# Allegro board meta_module_lay_rev1.brd (continued)
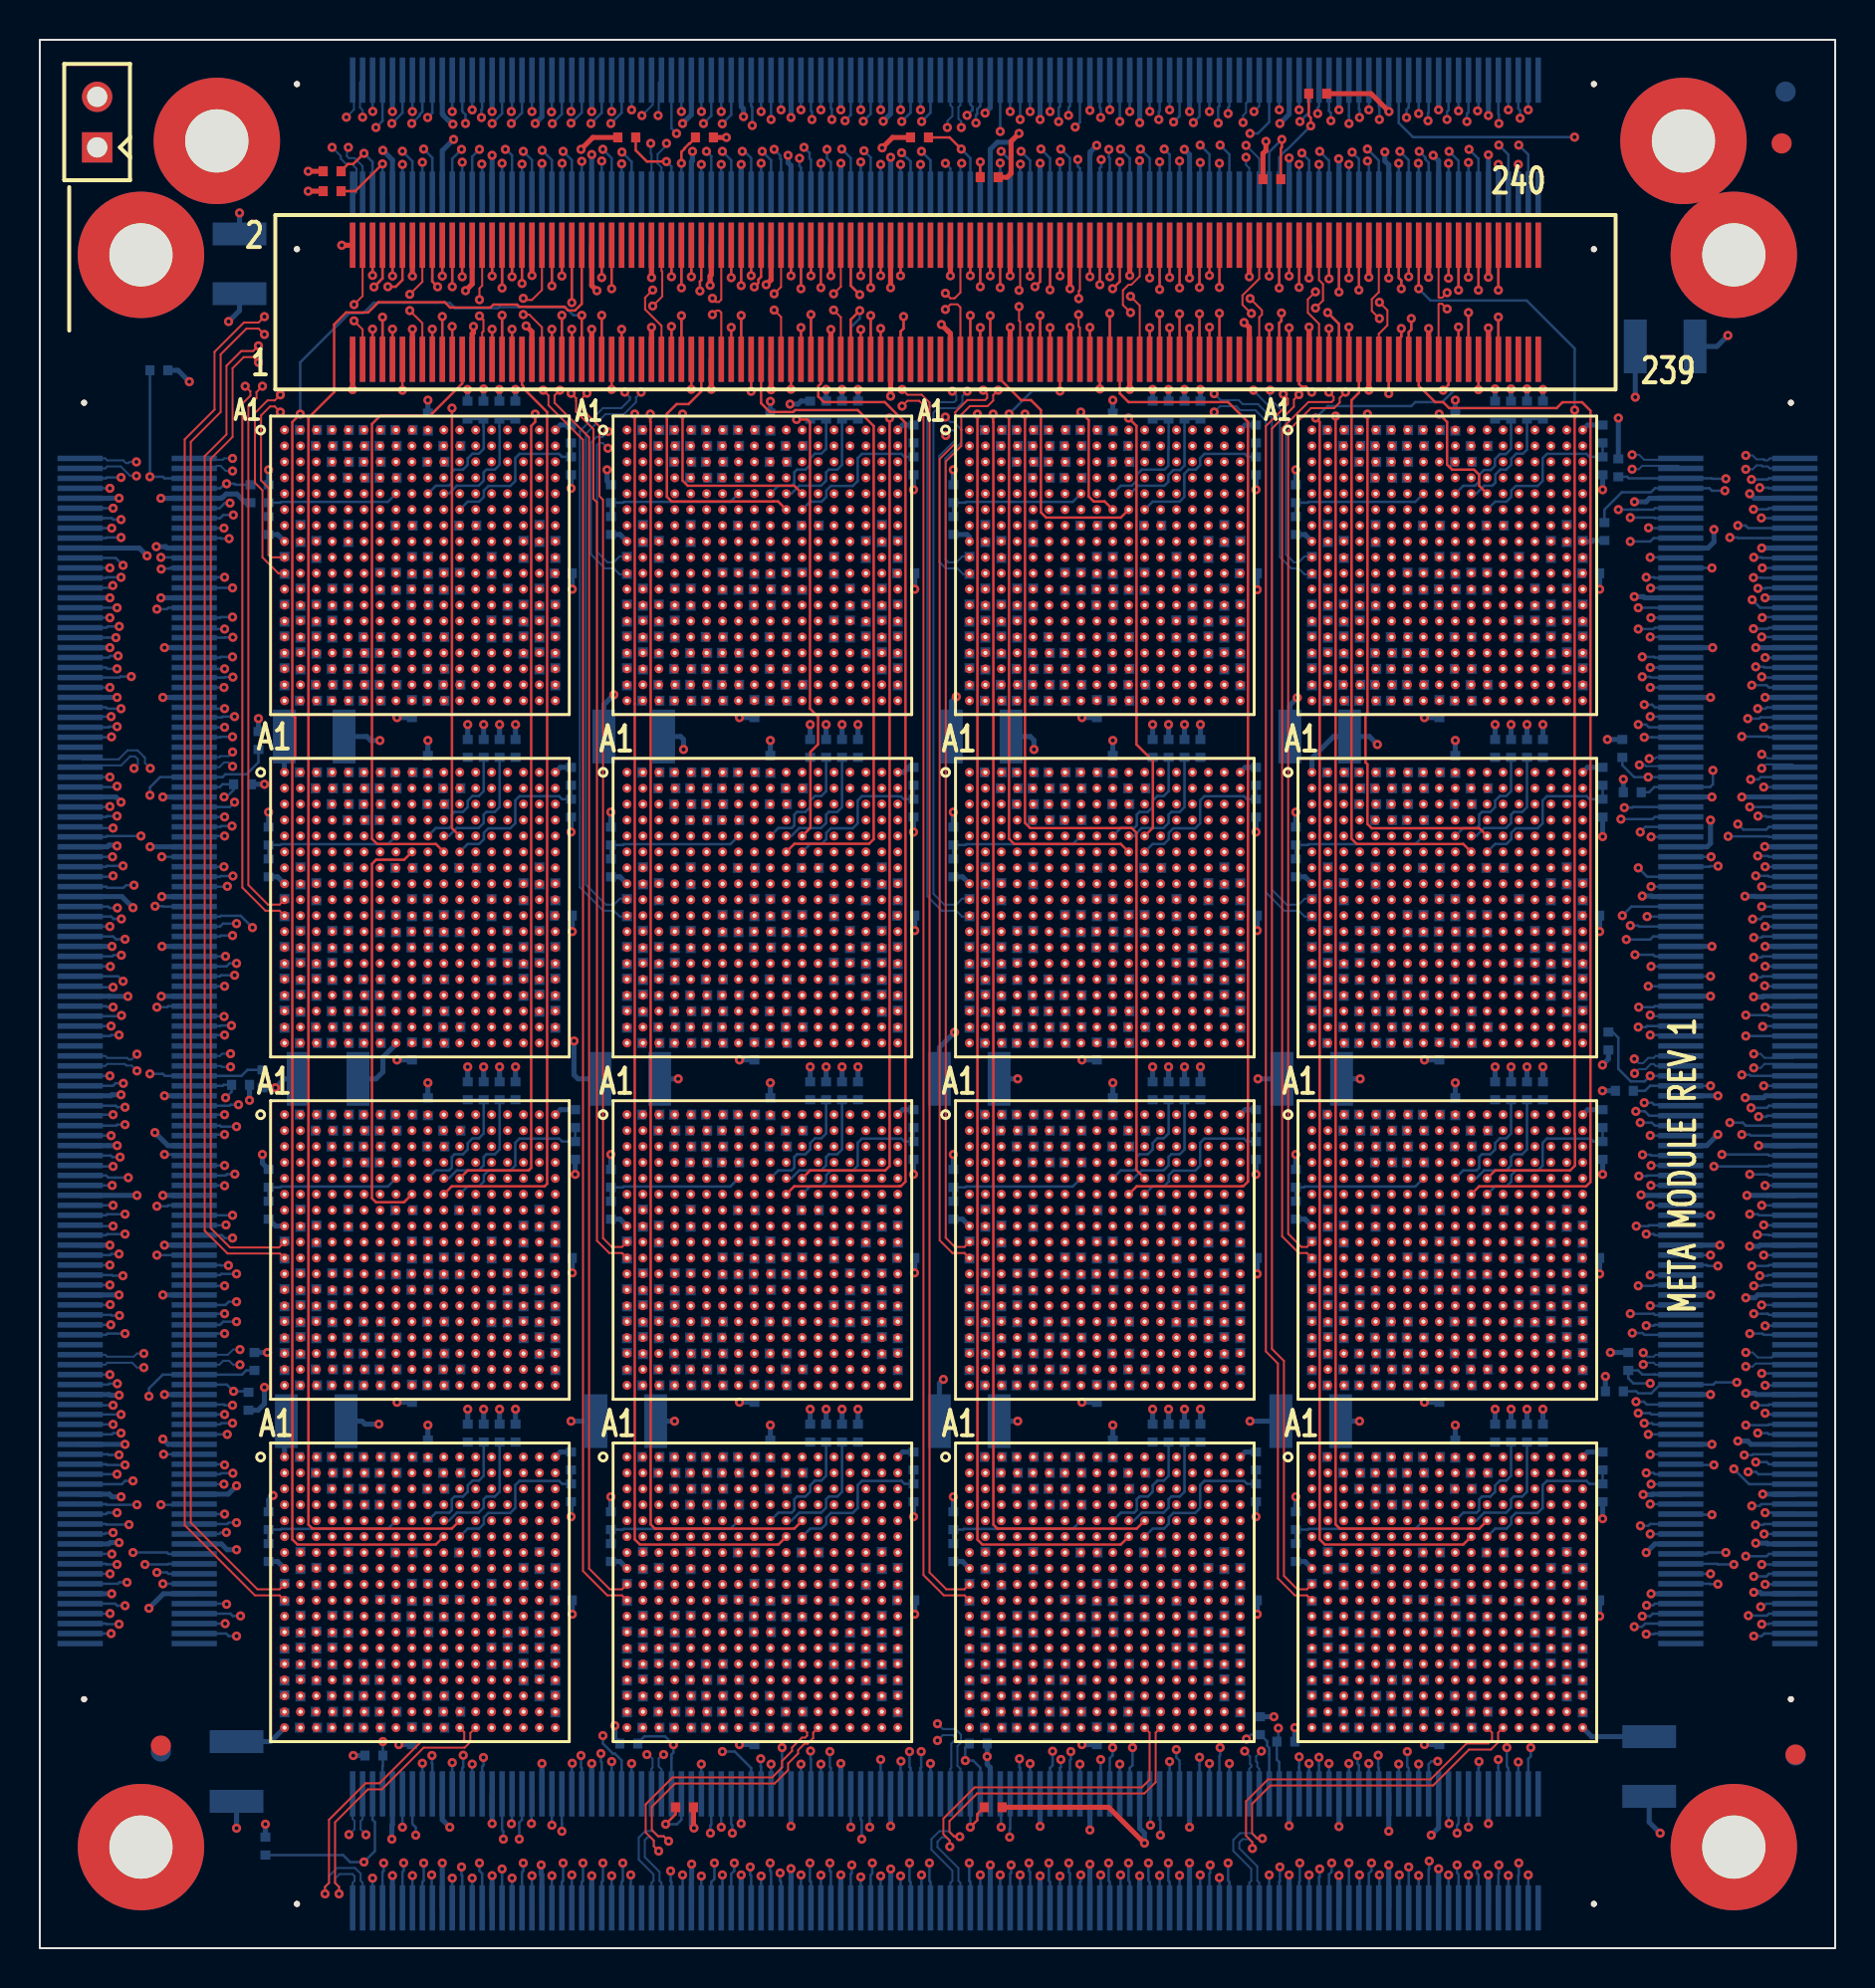
[diagram p0: board, top side]
## Routing (per net, layer and track width the routed paths; a pad name or vN(x,y) marks a point on that pad's centre or on a via; arc(x,y) is an arc through that point) (continued)
  BOTTOM w0.127: J3.76 86.81,33.82 86.78,33.78 v1(86.38,33.78)
EA_DATA_OUT_N22: length 19
  SIGNAL_L9 w0.083: U13.C17 76.73,40.28 77.13,40.68 78.08,40.68 78.48,40.28 81.48,40.28 83.38,38.38 85.98,38.38 87.28,37.08 87.28,33.12 v1(86.47,32.32)
  BOTTOM w0.127: v1(86.47,32.32) 86.48,32.32 J3.70
EA_DATA_OUT_N23: length 19.9
  SIGNAL_L5 w0.083: v1(86.65,31.27) 87.28,31.9 87.28,38.48 85.38,40.38 85.37,40.38 85.31,40.44 78.13,40.44 U13.B18
  BOTTOM w0.127: J3.66 88.1,31.28 86.78,31.28 86.77,31.27 v1(86.65,31.27)
EA_DATA_OUT_N24: length 15.7
  SIGNAL_L10 w0.083: U14.G15 75.48,20.27 75.48,20.88 75.68,21.08 76.01,21.08 76.32,21.39 76.32,21.63 76.57,21.88 77.88,21.88 78.08,22.08 79.28,22.08 79.45,21.91 81.11,21.91 83.98,24.78 v1(85.6,24.78)
  BOTTOM w0.127: v1(85.6,24.78) 86,24.78 86.03,24.82 J3.40
EA_DATA_OUT_N25: length 16.5
  SIGNAL_L9 w0.083: U14.F16 75.5,21.07 75.5,23.23 75.73,23.46 76.81,23.46 77.08,23.73 77.08,24.08 77.31,24.31 77.64,24.31 77.76,24.43 81.93,24.43 82.69,23.67 85.54,23.67 v1(85.8,23.93)
  BOTTOM w0.127: J3.36 86.31,23.81 86.19,23.93 v1(85.8,23.93)
EA_DATA_OUT_N26: length 12.1
  SIGNAL_L5 w0.083: U14.E17 77.09,21.88 77.88,21.88 78.08,22.08 80.3,22.08 80.65,21.73 81.83,21.73 82.32,22.22 v1(85.98,22.22)
  BOTTOM w0.127: v1(85.98,22.22) 86.37,22.22 86.46,22.31 J3.30
EA_DATA_OUT_N27: length 11.1
  SIGNAL_L9 w0.083: v1(86.17,21.27) 82.89,21.27 82.48,21.68 79.68,21.68 79.08,22.28 U14.D18
  BOTTOM w0.127: J3.26 86.6,21.31 86.56,21.27 v1(86.17,21.27)
EA_DATA_OUT_N28: length 14.1
  SIGNAL_L5 w0.083: v1(85.68,19.7) 85.12,20.25 80.33,20.25 80.32,20.25 75.8,20.25 75.48,20.57 75.48,21.09 U14.E15
  BOTTOM w0.127: v1(85.68,19.7) 86.73,19.7 86.84,19.81 J3.20
EA_DATA_OUT_N29: length 14.5
  SIGNAL_L9 w0.083: v1(86.08,18.68) 85.13,18.68 84.31,19.51 78.65,19.51 77.88,20.28 77.28,20.28 77.07,20.49 77.07,21.64 76.85,21.86 76.31,21.86 U14.D16
  BOTTOM w0.127: v1(86.08,18.68) 86.71,18.68 86.84,18.81 J3.16
EA_DATA_OUT_N30: length 19.6
  SIGNAL_L9 w0.083: U14.C17 76.73,23.08 77.13,23.48 79.38,23.48 80.15,24.25 81.71,24.25 82.58,23.38 86.76,23.38 87.28,22.86 87.28,17.88 86.82,17.42 86.69,17.42 v1(86.43,17.15)
  BOTTOM w0.127: v1(86.43,17.15) 86.55,17.15 86.71,17.31 J3.10
EA_DATA_OUT_N31: length 19.4
  SIGNAL_L5 w0.083: v1(86.48,16.28) 87.48,17.28 87.48,22.88 87.46,22.9 87.46,22.96 86.92,23.49 82.57,23.49 81.81,24.25 79.75,24.25 79.38,23.88 U14.B18
  BOTTOM w0.127: J3.6 86.84,16.31 86.82,16.28 v1(86.48,16.28)
EA_DATA_OUT_P0: length 15.8
  SIGNAL_L6 w0.083: U5.H15 75.48,71.07 75.48,71.59 75.77,71.88 76.08,71.88 76.31,72.11 76.31,72.51 76.48,72.68 78.18,72.68 78.19,72.67 79.12,72.67 79.12,72.67 79.44,72.67 79.81,72.3 81.86,72.3 84.81,69.35 v1(86.51,69.35)
  BOTTOM w0.127: v1(86.51,69.35) J3.218
EA_DATA_OUT_P1: length 28.4
  SIGNAL_L9 w0.083: U5.G16 75.49,71.88 75.08,71.88 75.06,71.9 74.93,71.9 74.71,72.12 74.71,72.25 74.68,72.28 74.68,75.68 74.88,75.88 75.28,75.88 75.47,76.07 75.47,76.47 75.68,76.68 78.88,76.68 79.28,76.28 86.28,76.28 87.68,74.88 87.68,69.71 v1(86.29,68.32)
  BOTTOM w0.127: v1(86.29,68.32) 86.68,68.32 86.71,68.35 J3.214
EA_DATA_OUT_P2: length 13.7
  SIGNAL_L5 w0.083: v1(86.51,66.85) 83.31,66.85 80.65,69.51 80.05,69.51 77.71,71.85 77.12,71.85 U5.F17
  BOTTOM w0.127: v1(86.51,66.85) 86.53,66.88 88.11,66.88 J3.208
EA_DATA_OUT_P3: length 13.7
  SIGNAL_L9 w0.083: v1(86.48,65.88) 85.75,65.88 80.35,71.28 79.29,71.28 U5.E18
  BOTTOM w0.127: J3.204 88.11,65.88 v1(86.48,65.88)
EA_DATA_OUT_P4: length 17.6
  SIGNAL_L5 w0.083: U5.F15 75.46,71.91 75.46,70.59 75.8,70.25 77.71,70.25 79.28,68.68 79.28,67.82 80.72,66.38 81.28,66.38 83.28,64.38 v1(86.18,64.38)
  BOTTOM w0.127: v1(86.18,64.38) 86.57,64.38 86.61,64.34 J3.198
EA_DATA_OUT_P5: length 17.3
  SIGNAL_L9 w0.083: v1(85.98,63.46) 85.1,63.46 80.48,68.08 80.48,68.48 77.88,71.08 76.48,71.08 76.28,71.28 76.28,72.69 U5.E16
  BOTTOM w0.127: v1(85.98,63.46) 86.73,63.46 86.84,63.34 J3.194
EA_DATA_OUT_P6: length 22.4
  SIGNAL_L9 w0.083: v1(85.78,61.78) 85.78,62.58 87.07,63.87 87.07,66.86 86.7,67.23 86.35,67.23 86.26,67.13 85.63,67.13 84.68,68.08 84.68,69.24 81.1,72.83 80.46,72.83 79.01,74.28 77.09,74.28 U5.D17
  BOTTOM w0.127: v1(85.78,61.78) 86.36,61.78 86.42,61.84 J3.188
EA_DATA_OUT_P7: length 27.2
  SIGNAL_L5 w0.083: U5.C18 78.29,75.48 85.88,75.48 87.08,74.28 87.08,62.48 v1(85.48,60.88)
  BOTTOM w0.127: J3.184 86.84,60.84 86.81,60.88 v1(85.48,60.88)
EA_DATA_OUT_P8: length 15.9
  SIGNAL_L6 w0.083: U6.H15 75.48,53.87 75.48,54.41 75.75,54.68 76.08,54.68 76.31,54.91 76.31,55.24 76.32,55.25 76.32,55.32 76.48,55.48 78.88,55.48 80.07,56.67 82.89,56.67 85.22,54.34 v1(86.65,54.34)
  BOTTOM w0.127: v1(86.65,54.34) J3.158
EA_DATA_OUT_P9: length 25
  SIGNAL_L9 w0.083: v1(86.48,53.34) 87.68,52.14 87.68,47.68 86.68,46.68 86.28,46.68 86.08,46.48 82.08,46.48 78.71,49.85 78.71,52.05 77.68,53.08 76.48,53.08 76.28,53.28 76.28,53.89 U6.G16
  BOTTOM w0.127: v1(86.48,53.34) J3.154
EA_DATA_OUT_P10: length 12.9
  SIGNAL_L5 w0.083: v1(86.03,51.71) 85.11,51.71 85.1,51.7 81.86,51.7 81.13,52.43 80.37,52.43 78.15,54.65 77.12,54.65 U6.F17
  BOTTOM w0.127: v1(86.03,51.71) 86.42,51.71 86.55,51.83 J3.148
EA_DATA_OUT_P11: length 13.1
  SIGNAL_L9 w0.083: U6.E18 79.88,53.49 79.88,52.91 79.98,52.82 79.99,52.82 80.35,52.45 81.11,52.45 82.78,50.78 v1(86.08,50.78)
  BOTTOM w0.127: J3.144 86.53,50.83 86.47,50.78 v1(86.08,50.78)
EA_DATA_OUT_P12: length 16.2
  SIGNAL_L5 w0.083: U6.F15 75.46,54.71 75.46,53.39 75.8,53.05 78.91,53.05 80.28,51.68 82.63,49.33 v1(86.65,49.33)
  BOTTOM w0.127: v1(86.65,49.33) J3.138
EA_DATA_OUT_P13: length 16.2
  SIGNAL_L9 w0.083: U6.E16 76.28,55.49 76.28,54.17 76.57,53.88 78.08,53.88 83.61,48.35 v1(86.63,48.35)
  BOTTOM w0.127: v1(86.63,48.35) 86.66,48.35 86.68,48.33 J3.134
EA_DATA_OUT_P14: length 20.6
  SIGNAL_L9 w0.083: U6.D17 77.11,57.1 78.49,57.1 83.51,52.08 86.21,52.08 86.41,51.88 86.78,51.88 87.07,51.59 87.07,48.27 v1(85.68,46.88)
  BOTTOM w0.127: v1(85.68,46.88) 86.8,46.88 86.84,46.83 J3.128
EA_DATA_OUT_P15: length 21.7
  SIGNAL_L5 w0.083: v1(85.68,45.83) 86.11,46.26 86.11,47.31 87.28,48.48 87.28,52.22 86.79,52.71 86.31,52.71 85.54,53.48 84.11,53.48 79.83,57.75 77.76,57.75 U6.C18
  BOTTOM w0.127: v1(85.68,45.83) J3.124
EA_DATA_OUT_P16: length 14.9
  SIGNAL_L10 w0.083: v1(84.08,39.28) 83.68,38.88 80.92,38.88 80.36,38.31 76.6,38.31 76.32,38.03 76.32,37.72 76.08,37.48 75.68,37.48 75.46,37.26 75.46,36.65 U13.H15
  BOTTOM w0.127: J3.98 86.84,39.33 86.8,39.28 v1(84.08,39.28)
EA_DATA_OUT_P17: length 22.3
  SIGNAL_L9 w0.083: v1(86.64,38.32) 87.68,37.28 87.68,32.93 86.23,31.48 84.48,31.48 81.48,34.48 79.68,34.48 78.28,35.88 76.55,35.88 76.31,36.12 76.31,36.66 U13.G16
  BOTTOM w0.127: J3.94 86.65,38.33 v1(86.64,38.32)
EA_DATA_OUT_P18: length 12.2
  SIGNAL_L5 w0.083: U13.F17 77.09,37.48 79.78,37.48 80.35,36.91 81.01,36.91 81.37,37.27 84.69,37.27 85.08,36.88 v1(85.88,36.88)
  BOTTOM w0.127: J3.88 86.33,36.82 86.27,36.88 v1(85.88,36.88)
EA_DATA_OUT_P19: length 11.8
  SIGNAL_L9 w0.083: U13.E18 78.09,38.08 79.13,38.08 81.36,35.85 v1(86.26,35.85)
  BOTTOM w0.127: v1(86.26,35.85) 86.82,35.85 86.84,35.82 J3.84
EA_DATA_OUT_P20: length 15.5
  SIGNAL_L5 w0.083: v1(85.98,34.28) 84.81,35.45 84.81,35.48 84.59,35.69 83.89,35.69 83.68,35.48 78.28,35.48 77.88,35.88 75.77,35.88 75.46,36.19 75.46,37.51 U13.F15
  BOTTOM w0.127: v1(85.98,34.28) 86.8,34.28 86.84,34.32 J3.78
EA_DATA_OUT_P21: length 15.3
  SIGNAL_L9 w0.083: U13.E16 76.28,38.29 76.28,36.95 76.55,36.68 78.08,36.68 79.88,34.88 82.28,34.88 83.88,33.28 v1(86.08,33.28)
  BOTTOM w0.127: J3.74 86.53,33.32 86.49,33.28 v1(86.08,33.28)
EA_DATA_OUT_P22: length 19.2
  SIGNAL_L9 w0.083: U13.D17 77.09,39.88 79.75,39.88 80.75,38.88 81.98,38.88 83.59,37.27 84.49,37.27 85.25,36.51 86.03,36.51 86.24,36.71 86.85,36.71 87.08,36.48 87.08,33.48 86.08,32.48 v1(86.08,31.88)
  BOTTOM w0.127: J3.68 86.84,31.82 86.78,31.88 v1(86.08,31.88)
EA_DATA_OUT_P23: length 20.7
  SIGNAL_L5 w0.083: U13.C18 78.03,40.28 78.06,40.25 85.24,40.25 87.08,38.41 87.08,32.22 86.28,31.42 86.28,31.28 v1(85.88,30.88)
  BOTTOM w0.127: J3.64 86.57,30.82 86.51,30.88 v1(85.88,30.88)
EA_DATA_OUT_P24: length 15.9
  SIGNAL_L10 w0.083: v1(86.18,24.42) 85.77,24.42 85.73,24.38 85.31,24.38 85.23,24.45 84.78,24.45 81.98,21.65 79.25,21.65 78.68,21.08 76.57,21.08 76.32,20.83 76.32,20.52 76.08,20.28 75.77,20.28 75.46,19.97 75.46,19.45 U14.H15
  BOTTOM w0.127: v1(86.18,24.42) 86.74,24.42 86.84,24.31 J3.38
EA_DATA_OUT_P25: length 27.8
  SIGNAL_L9 w0.083: v1(85.08,24.08) 85.08,24.78 85.45,25.15 86.11,25.15 87.88,23.38 87.88,17.88 86.68,16.68 86.33,16.68 85.93,16.28 85.28,16.28 82.88,18.68 76.48,18.68 76.28,18.88 76.28,19.49 U14.G16
  BOTTOM w0.127: J3.34 85.85,23.31 v1(85.08,24.08)
EA_DATA_OUT_P26: length 12.3
  SIGNAL_L5 w0.083: v1(86.65,21.88) 86.28,21.88 86.18,21.78 84.78,21.78 84.28,21.28 83.58,21.28 83.32,21.54 80.57,21.54 80.44,21.68 79.28,21.68 78.68,21.08 77.09,21.08 U14.F17
  BOTTOM w0.127: J3.28 88.08,21.88 v1(86.65,21.88)
EA_DATA_OUT_P27: length 11.4
  SIGNAL_L9 w0.083: U14.E18 78.69,20.28 83.88,20.28 84.41,20.81 v1(86.6,20.81)
  BOTTOM w0.127: J3.24 86.61,20.81 86.61,20.81 v1(86.6,20.81)
EA_DATA_OUT_P28: length 14.3
  SIGNAL_L5 w0.083: v1(86.48,19.28) 86.11,19.28 85.71,18.88 84.68,18.88 84.11,19.45 75.8,19.45 75.52,19.73 75.52,20.25 U14.F15
  BOTTOM w0.127: v1(86.48,19.28) 88.11,19.28 J3.18
EA_DATA_OUT_P29: length 14.4
  SIGNAL_L9 w0.083: U14.E16 76.28,21.09 76.28,19.77 76.57,19.48 77.9,19.48 78.09,19.29 84.07,19.29 85.08,18.28 v1(86.65,18.28)
  BOTTOM w0.127: J3.14 88.11,18.28 v1(86.65,18.28)
EA_DATA_OUT_P30: length 20.7
  SIGNAL_L9 w0.083: v1(85.81,16.71) 85.81,17.08 86.31,17.58 86.58,17.58 87.08,18.08 87.08,22.81 86.7,23.18 84.38,23.18 83.11,21.91 80.45,21.91 79.68,22.68 77.09,22.68 U14.D17
  BOTTOM w0.127: J3.8 86.84,16.81 86.74,16.71 v1(85.81,16.71)
EA_DATA_OUT_P31: length 20.8
  SIGNAL_L5 w0.083: v1(86.08,15.68) 86.08,16.45 86.28,16.65 86.45,16.65 87.28,17.48 87.28,22.88 86.98,23.18 82.58,23.18 81.31,21.91 80.73,21.91 79.55,23.08 U14.C18
  BOTTOM w0.127: v1(86.08,15.68) 86.47,15.68 86.6,15.81 J3.4
EA_FRAME_IN_N0: length 16
  SIGNAL_L12 w0.083: U5.L17 77.09,68.68 77.68,68.68 79.28,70.28 79.28,70.75 82.36,73.83 v1(84.68,73.83)
  BOTTOM w0.127: R1025.1 79.73,73.93 79.81,73.85 J3.235 83.96,73.85 83.98,73.83 v1(84.68,73.83)
EA_FRAME_IN_N1: length 13.6
  SIGNAL_L12 w0.083: v1(80.78,58.84) 81.08,58.54 81.08,57.87 79.68,56.47 79.68,53.98 77.86,52.16 77.86,51.73 77.64,51.51 77.12,51.51 U6.L17
  BOTTOM w0.127: J3.175 v1(80.78,58.84) 80.08,58.84 79.48,59.44 R1026.1
EA_FRAME_IN_N2: length 18
  SIGNAL_L12 w0.083: U13.L17 77.09,34.28 77.68,34.28 79.38,35.98 79.38,37.91 79.76,38.29 79.76,40.28 81.18,41.71 81.18,43.53 v1(80.88,43.83)
  BOTTOM w0.127: J3.115 v1(80.88,43.83) 80.6,43.55 79.91,43.55 79.28,44.18 79.28,45.74 78.99,46.03 R1027.1
EA_FRAME_IN_N3: length 18.8
  SIGNAL_L12 w0.083: v1(80.88,28.38) 80.88,27.82 81.28,27.42 81.28,25.75 80.98,25.44 80.64,25.44 80.06,24.86 80.06,23.47 79.79,23.21 79.79,22.9 79.79,22.49 79.9,22.38 80.01,22.27 80.01,21.67 79.83,21.49 79.83,21.45 79.83,19.23 77.68,17.08 77.09,17.08 U14.L17
  BOTTOM w0.127: J3.55 81.12,28.82 81.11,28.83 80.48,28.83 80.27,29.03 R1028.1 79.78,28.64 80.04,28.38 v1(80.88,28.38)
EA_FRAME_IN_P0: length 17.9
  SIGNAL_L12 w0.083: v1(84.63,73.23) 83.23,73.23 78.88,68.88 78.88,68.28 78.48,67.88 77.09,67.88 U5.M17
  BOTTOM w0.127: v1(84.63,73.23) 83.98,73.23 83.86,73.35 J3.233 81.12,73.35 80.92,73.15 79.45,73.15 78.58,72.28 R1029.2
EA_FRAME_IN_P1: length 18
  SIGNAL_L12 w0.083: v1(84.03,59.18) 82.66,59.18 80.13,56.65 80.13,56.65 79.91,56.43 79.91,53.95 78.88,52.92 78.88,51.08 78.48,50.68 77.09,50.68 U6.M17
  BOTTOM w0.127: v1(84.03,59.18) 84.03,58.48 83.89,58.34 J3.173 81.08,58.34 80.82,58.08 R1030.2
EA_FRAME_IN_P2: length 18.3
  SIGNAL_L12 w0.083: v1(83.91,43.33) 80.86,40.28 80.38,40.28 79.94,39.84 79.94,38.21 79.68,37.95 79.68,34.68 78.51,33.51 77.12,33.51 U13.M17
  BOTTOM w0.127: R1031.2 80.62,43.08 80.87,43.33 J3.113 v1(83.91,43.33)
EA_FRAME_IN_P3: length 24.2
  SIGNAL_L12 w0.083: v1(85.23,28.43) 83.53,28.43 81.48,26.38 81.48,25.68 81.05,25.25 81.04,25.25 81.04,25.25 80.73,25.25 80.24,24.77 80.24,23.4 79.97,23.13 79.97,22.98 79.97,22.56 80.08,22.46 80.19,22.35 80.19,21.59 80.02,21.42 80.02,18.47 79.75,18.21 79.75,17.55 78.51,16.31 77.12,16.31 U14.M17
  BOTTOM w0.127: R1032.2 80.18,27.98 80.28,27.88 80.94,27.88 81.37,28.32 J3.53 84.05,28.32 84.17,28.43 v1(85.23,28.43)
EA_FRAME_OUT_N0: length 19.2
  SIGNAL_L10 w0.083: v1(85.96,73.8) 85.51,73.34 85.51,72.92 85.72,72.71 86.25,72.71 86.88,72.08 86.88,71.65 85.26,70.03 81.93,70.03 81.41,69.51 79.71,69.51 78.88,68.68 75.77,68.68 75.52,68.93 75.52,69.45 U5.J15
  BOTTOM w0.127: J3.236 86.84,73.85 86.79,73.8 v1(85.96,73.8)
EA_FRAME_OUT_N1: length 20
  SIGNAL_L10 w0.083: U6.J15 75.52,52.25 75.52,51.73 75.77,51.48 77.68,51.48 78.68,52.48 79.88,52.48 80.13,52.23 83.28,52.23 85.7,54.65 85.7,55.36 86.68,56.35 86.68,57.48 85.92,58.24 v1(85.92,58.72)
  BOTTOM w0.127: v1(85.92,58.72) 86.32,58.72 86.43,58.84 J3.176
EA_FRAME_OUT_N2: length 22.8
  SIGNAL_L10 w0.083: v1(85.48,43.88) 86.05,43.31 86.05,42.91 86.7,42.26 86.7,39.17 85.83,38.31 85.51,38.31 84.68,37.48 84.68,36.68 82.68,34.68 79.48,34.68 79.08,34.28 75.77,34.28 75.52,34.53 75.52,35.05 U13.J15
  BOTTOM w0.127: v1(85.48,43.88) 85.87,43.88 85.92,43.83 J3.116
EA_FRAME_OUT_N3: length 24.5
  SIGNAL_L10 w0.083: U14.J15 75.52,17.85 75.52,17.33 75.77,17.08 78.28,17.08 79.4,18.2 81.9,18.2 85.38,21.68 86.28,21.68 86.45,21.51 86.91,21.51 87.5,22.1 87.5,26.86 86.22,28.14 86.22,28.62 v1(86.48,28.88)
  BOTTOM w0.127: v1(86.48,28.88) 88.08,28.88 J3.56
EA_FRAME_OUT_P0: length 18.2
  SIGNAL_L10 w0.083: v1(86.38,73.38) 87.08,72.68 87.08,71.48 85.38,69.78 82.23,69.78 81.77,69.32 80.12,69.32 78.71,67.91 75.74,67.91 75.52,68.13 75.52,68.65 U5.K15
  BOTTOM w0.127: v1(86.38,73.38) 86.82,73.38 86.84,73.35 J3.234
EA_FRAME_OUT_P1: length 19.9
  SIGNAL_L10 w0.083: v1(86.58,58.34) 86.88,58.04 86.88,56.28 85.91,55.31 85.91,54.51 82.86,51.46 80.42,51.46 79.61,52.28 78.96,52.28 77.92,51.24 77.92,50.98 77.64,50.71 75.74,50.71 75.52,50.93 75.52,51.45 U6.K15
  BOTTOM w0.127: v1(86.58,58.34) J3.174
EA_FRAME_OUT_P2: length 21.2
  SIGNAL_L10 w0.083: v1(86.58,43.33) 86.88,43.03 86.88,39.08 86.18,38.38 86.18,37.74 82.72,34.28 79.48,34.28 78.71,33.51 78.13,33.51 78.13,33.51 75.74,33.51 75.52,33.73 75.52,34.25 U13.K15
  BOTTOM w0.127: v1(86.58,43.33) J3.114
EA_FRAME_OUT_P3: length 26.4
  SIGNAL_L10 w0.083: v1(86.65,28.28) 87.78,27.15 87.78,21.23 86.53,19.98 85.98,19.98 85.58,20.38 84.63,20.38 83.28,19.03 83.28,17.85 80.76,15.33 79.76,15.33 78.78,16.31 75.74,16.31 75.52,16.53 75.52,17.05 U14.K15
  BOTTOM w0.127: v1(86.65,28.28) 88.11,28.28 J3.54
EA_LCLK_IN_N0: length 12.8
  SIGNAL_L3 w0.081: v1(79.97,75.03) 79.63,75.03 79.43,74.84 79.09,74.84 78.86,74.61 78.86,72.93 78.35,72.42 78.35,70.04 78.75,69.64 78.75,67.65 78.31,67.21 77.77,67.21 77.62,67.35 77.62,67.35 U5.M18
  BOTTOM w0.102: v1(79.97,75.03) 80.33,75.03 80.58,74.78 82.35,74.78 J3.239
EA_LCLK_IN_N1: length 15.4
  SIGNAL_L3 w0.081: U6.M18 77.73,50.05 78.35,50.05 78.78,50.48 78.78,52.58 78.93,52.73 78.93,56.16 78.55,56.54 78.55,59.5 79.46,60.41 80.27,60.41 80.46,60.11 80.47,60.1 80.64,60.06 v1(80.83,59.77)
  BOTTOM w0.102: J3.179 81.19,59.84 81.12,59.77 80.83,59.77 v1(80.83,59.77)
EA_LCLK_IN_N2: length 16.3
  SIGNAL_L3 w0.081: U13.M18 77.69,32.88 78.28,32.88 78.88,33.48 78.88,44.08 79.29,44.48 79.54,44.48 79.74,44.68 v1(80.08,44.68)
  BOTTOM w0.102: v1(80.08,44.68) 80.1,44.68 80.31,44.47 80.52,44.47 80.79,44.73 81.06,44.73 81.15,44.83 J3.119
EA_LCLK_IN_N3: length 18.4
  SIGNAL_L3 w0.081: U14.M18 77.76,15.61 78.01,15.61 79.25,16.85 79.25,29.36 79.68,29.79 80.06,29.79 80.19,29.92 v1(80.53,29.92)
  BOTTOM w0.102: J3.59 81.15,29.82 81.06,29.72 80.73,29.72 v1(80.53,29.92)
EA_LCLK_IN_P0: length 12.7
  SIGNAL_L3 w0.081: U5.N18 77.69,66.88 78.45,66.88 79.08,67.51 79.08,69.78 78.68,70.18 78.68,72.28 79.19,72.79 79.19,74.47 79.22,74.51 79.43,74.51 79.63,74.31 v1(79.97,74.31)
  BOTTOM w0.102: v1(79.97,74.31) 80.31,74.31 80.48,74.48 82.29,74.48 J3.237
EA_LCLK_IN_P1: length 15.6
  SIGNAL_L3 w0.081: U6.N18 77.73,49.71 78.48,49.71 79.11,50.34 79.11,52.44 79.26,52.59 79.26,56.3 78.88,56.68 78.88,59.36 79.6,60.08 80.09,60.08 80.19,59.92 80.19,59.92 80.15,59.74 v1(80.34,59.45)
  BOTTOM w0.102: J3.177 82.37,59.39 80.67,59.39 80.61,59.45 v1(80.34,59.45)
EA_LCLK_IN_P2: length 16.4
  SIGNAL_L3 w0.081: v1(80.1,43.95) 79.74,43.95 79.54,44.15 79.42,44.15 79.21,43.94 79.21,33.34 78.42,32.55 77.76,32.55 U13.N18
  BOTTOM w0.102: J3.117 81.15,44.33 81.06,44.43 80.91,44.43 80.65,44.16 80.31,44.16 v1(80.1,43.95)
EA_LCLK_IN_P3: length 18.3
  SIGNAL_L3 w0.081: v1(80.53,29.33) 80.19,29.33 80.06,29.46 79.81,29.46 79.58,29.22 79.58,16.71 78.15,15.28 77.69,15.28 U14.N18
  BOTTOM w0.102: v1(80.53,29.33) 80.62,29.42 81.06,29.42 81.15,29.32 J3.57
EA_LCLK_OUT_N0: length 14.2
  SIGNAL_L12 w0.081: v1(85.68,75) 85.34,75 85.11,74.78 84.95,74.78 83.95,75.78 79.41,75.78 79.05,75.42 79.05,73.22 77.89,72.06 77.71,72.06 U5.F18
  BOTTOM w0.102: v1(85.68,75) 86.03,75 86.22,74.81 86.56,74.8 86.59,74.8 86.64,74.75 86.78,74.75 86.88,74.85 J3.240
EA_LCLK_OUT_N1: length 15.7
  SIGNAL_L12 w0.081: U6.F18 77.12,55.45 77.12,56.03 77.34,56.25 77.66,56.25 77.95,56.53 77.95,58.75 79.67,60.47 83.06,60.47 83.62,59.91 85.72,59.91 85.83,59.8 85.95,59.8 86.14,59.99 v1(86.48,59.99)
  BOTTOM w0.102: J3.180 88.09,59.78 86.78,59.78 86.57,59.99 v1(86.48,59.99)
EA_LCLK_OUT_N2: length 17.9
  SIGNAL_L12 w0.081: v1(86.08,44.93) 85.74,44.93 85.55,44.75 83.48,44.75 82.82,45.41 79.44,45.41 79.08,45.05 79.08,42.65 78.86,42.43 78.86,38.63 78.11,37.88 U13.F18
  BOTTOM w0.102: v1(86.08,44.93) 86.43,44.93 86.62,44.73 88.05,44.73 J3.120
EA_LCLK_OUT_N3: length 20.7
  SIGNAL_L12 w0.081: U14.F18 77.66,20.51 78.71,20.51 78.96,20.76 78.96,20.94 78.96,21.09 78.96,21.81 78.96,21.86 79.07,21.97 78.91,22.12 78.91,23.61 79.18,23.88 79.18,29.68 80.04,30.54 80.13,30.54 80.15,30.56 80.18,30.56 80.24,30.62 80.82,30.62 80.87,30.57 80.97,30.57 80.98,30.56 83,30.56 83.82,29.74 85.15,29.74 85.34,29.93 v1(85.68,29.93)
  BOTTOM w0.102: J3.60 87.12,29.82 86.98,29.68 86.28,29.68 86.03,29.93 v1(85.68,29.93)
EA_LCLK_OUT_P0: length 14.2
  SIGNAL_L12 w0.081: U5.G18 77.74,71.73 78.03,71.73 79.38,73.08 79.38,75.28 79.55,75.45 83.81,75.45 84.81,74.45 85.2,74.45 85.33,74.31 v1(85.68,74.31)
  BOTTOM w0.102: v1(85.68,74.31) 86.02,74.31 86.22,74.5 86.46,74.5 86.51,74.45 86.78,74.45 86.88,74.35 J3.238
EA_LCLK_OUT_P1: length 15.7
  SIGNAL_L12 w0.081: U6.G18 77.49,54.56 77.86,54.93 77.86,55.97 78.28,56.39 78.28,58.61 79.81,60.14 82.92,60.14 83.48,59.58 85.58,59.58 85.7,59.47 85.95,59.47 86.14,59.28 v1(86.48,59.28)
  BOTTOM w0.102: v1(86.48,59.28) 86.68,59.48 88.01,59.48 J3.178
EA_LCLK_OUT_P2: length 18.1
  SIGNAL_L12 w0.081: v1(86.08,44.23) 85.74,44.23 85.55,44.42 83.34,44.42 82.68,45.08 79.58,45.08 79.41,44.91 79.41,42.51 79.19,42.29 79.19,38.5 78.4,37.7 78.4,37.7 78.3,37.61 78.3,37.6 77.78,37.08 U13.G18
  BOTTOM w0.102: J3.118 88.04,44.43 86.63,44.43 86.43,44.23 v1(86.08,44.23)
EA_LCLK_OUT_P3: length 20.8
  SIGNAL_L12 w0.081: v1(85.68,29.23) 85.34,29.23 85.15,29.41 83.68,29.41 82.87,30.23 80.84,30.23 80.83,30.24 80.73,30.24 80.68,30.29 80.38,30.29 80.32,30.23 80.29,30.23 80.27,30.21 80.17,30.21 79.51,29.54 79.51,23.74 79.24,23.47 79.24,22.26 79.46,22.04 79.46,21.89 79.29,21.72 79.29,21.68 79.29,21.22 79.29,21.07 79.29,20.62 78.85,20.18 77.79,20.18 U14.G18
  BOTTOM w0.102: J3.58 87.14,29.32 87.08,29.38 86.18,29.38 86.03,29.23 v1(85.68,29.23)
EA_WAIT_RD_IN_N0: length 12
  SIGNAL_L10 w0.083: v1(85.28,71.48) 85.02,71.74 80.54,71.74 80.31,71.51 78.45,71.51 78.11,71.85 77.06,71.85 U5.G17
  BOTTOM w0.127: v1(85.28,71.48) 85.67,71.48 85.8,71.35 J3.226
EA_WAIT_RD_IN_N1: length 12.5
  SIGNAL_L10 w0.083: v1(85.28,56.48) 84.68,56.48 84.48,56.28 82.38,56.28 80.78,54.68 77.09,54.68 U6.G17
  BOTTOM w0.127: v1(85.28,56.48) 85.56,56.2 86.71,56.2 86.84,56.34 J3.166
EA_WAIT_RD_IN_N2: length 14.9
  SIGNAL_L10 w0.083: v1(84.88,41.48) 84.88,39.54 82.25,36.91 78.45,36.91 77.91,37.45 77.06,37.45 U13.G17
  BOTTOM w0.127: v1(84.88,41.48) 85.53,41.48 85.68,41.33 J3.106
EA_WAIT_RD_IN_N3: length 16.6
  SIGNAL_L10 w0.083: v1(85.68,26.28) 85.68,25.91 86.58,25.01 86.58,24.18 85.71,23.31 84.31,23.31 81.25,20.25 80.64,20.25 80.63,20.25 77.06,20.25 U14.G17
  BOTTOM w0.127: J3.46 86.84,26.32 86.81,26.28 v1(85.68,26.28)
EA_WAIT_RD_IN_P0: length 11.7
  SIGNAL_L10 w0.083: v1(84.88,70.88) 80.48,70.88 80.31,71.05 77.06,71.05 U5.H17
  BOTTOM w0.127: v1(84.88,70.88) 85.27,70.88 85.3,70.85 J3.224
EA_WAIT_RD_IN_P1: length 12.5
  SIGNAL_L10 w0.083: v1(84.79,55.86) 83.66,55.86 81.71,53.91 80.13,53.91 80.12,53.91 77.12,53.91 U6.H17
  BOTTOM w0.127: v1(84.79,55.86) 86.82,55.86 86.84,55.84 J3.164
EA_WAIT_RD_IN_P2: length 14
  SIGNAL_L10 w0.083: v1(85.48,40.88) 85.48,39.78 82.38,36.68 77.09,36.68 U13.H17
  BOTTOM w0.127: v1(85.48,40.88) 85.87,40.88 85.93,40.83 J3.104
EA_WAIT_RD_IN_P3: length 16.1
  SIGNAL_L10 w0.083: U14.H17 77.09,19.48 80.98,19.48 84.58,23.08 85.74,23.08 86.83,24.17 86.83,25.33 v1(86.28,25.88)
  BOTTOM w0.127: v1(86.28,25.88) 86.78,25.88 86.84,25.82 J3.44
EA_WAIT_RD_OUT_N0: length 6.3
  SIGNAL_L6 w0.083: U5.J17 77.07,70.26 78.86,70.26 79.97,71.37 v1(80.8,71.37)
  BOTTOM w0.127: J3.225 80.81,71.35 v1(80.8,71.37)
EA_WAIT_RD_OUT_N1: length 7.5
  SIGNAL_L6 w0.083: v1(80.38,56.08) 80.38,55.58 77.86,53.06 77.07,53.06 U6.J17
  BOTTOM w0.127: v1(80.38,56.08) 80.64,56.34 J3.165
EA_WAIT_RD_OUT_N2: length 10.1
  SIGNAL_L6 w0.083: v1(80.38,41.48) 78.88,39.98 78.88,36.88 77.86,35.86 77.07,35.86 U13.J17
  BOTTOM w0.127: J3.105 81.12,41.33 80.96,41.48 v1(80.38,41.48)
EA_WAIT_RD_OUT_N3: length 12
  SIGNAL_L6 w0.083: v1(80.58,26.38) 78.88,24.68 78.88,19.68 77.86,18.66 77.07,18.66 U14.J17
  BOTTOM w0.127: v1(80.58,26.38) 80.97,26.38 81.03,26.32 J3.45
EA_WAIT_RD_OUT_P0: length 6.5
  SIGNAL_L6 w0.083: U5.K17 77.11,69.5 77.33,69.5 78.7,69.5 v1(79.88,70.68)
  BOTTOM w0.127: J3.223 81.05,70.85 80.88,70.68 v1(79.88,70.68)
EA_WAIT_RD_OUT_P1: length 7.6
  SIGNAL_L6 w0.083: U6.K17 77.11,52.3 77.33,52.3 77.75,52.3 80.92,55.47 v1(80.92,55.84)
  BOTTOM w0.127: v1(80.92,55.84) J3.163
EA_WAIT_RD_OUT_P2: length 9.7
  SIGNAL_L6 w0.083: v1(80.88,40.83) 79.08,39.03 79.08,36.54 78.9,36.36 78.9,36.35 77.65,35.1 77.33,35.1 77.11,35.1 U13.K17
  BOTTOM w0.127: v1(80.88,40.83) 80.89,40.83 J3.103
EA_WAIT_RD_OUT_P3: length 12
  SIGNAL_L6 w0.083: U14.K17 77.11,17.9 77.33,17.9 77.65,17.9 79.08,19.33 79.08,24.11 v1(80.78,25.81)
  BOTTOM w0.127: J3.43 v1(80.78,25.81)
EA_WAIT_WR_IN_N0: length 13.8
  SIGNAL_L10 w0.083: U5.H16 76.29,70.28 80.21,70.28 80.41,70.48 85.08,70.48 86.06,71.46 v1(86.06,72.3)
  BOTTOM w0.127: v1(86.06,72.3) 86.79,72.3 86.84,72.35 J3.230
EA_WAIT_WR_IN_N1: length 14.8
  SIGNAL_L10 w0.083: v1(85.88,57.34) 85.88,56.32 85.05,55.49 83.89,55.49 82.13,53.73 78.93,53.73 78.28,53.08 76.29,53.08 U6.H16
  BOTTOM w0.127: v1(85.88,57.34) J3.170
EA_WAIT_WR_IN_N2: length 16.8
  SIGNAL_L10 w0.083: U13.H16 76.29,35.88 77.88,35.88 78.25,35.51 81.61,35.51 85.77,39.67 85.77,40.56 85.94,40.73 v1(85.94,42.22)
  BOTTOM w0.127: v1(85.94,42.22) 86.74,42.22 86.84,42.33 J3.110
EA_WAIT_WR_IN_N3: length 19.1
  SIGNAL_L10 w0.083: v1(86.14,27.28) 86.14,26.82 87.03,25.93 87.03,24.11 81.6,18.68 76.29,18.68 U14.H16
  BOTTOM w0.127: v1(86.14,27.28) 86.81,27.28 86.84,27.32 J3.50
EA_WAIT_WR_IN_P0: length 13.6
  SIGNAL_L10 w0.083: v1(86.46,71.86) 86.46,71.49 86.44,71.47 85.23,70.25 80.65,70.25 80.28,69.88 78.48,69.88 78.08,69.48 76.29,69.48 U5.J16
  BOTTOM w0.127: v1(86.46,71.86) 86.46,71.86 86.47,71.85 J3.228
EA_WAIT_WR_IN_P1: length 15.3
  SIGNAL_L10 w0.083: v1(86.29,56.88) 86.29,56.29 85.48,55.48 85.48,54.78 83.18,52.48 80.28,52.48 80.06,52.7 78.3,52.7 77.88,52.28 76.29,52.28 U6.J16
  BOTTOM w0.127: v1(86.29,56.88) 86.69,56.88 86.73,56.84 J3.168
EA_WAIT_WR_IN_P2: length 16.3
  SIGNAL_L10 w0.083: v1(86.33,41.78) 86.33,41.41 86.3,41.38 86.3,40.82 85.95,40.48 85.95,39.55 81.48,35.08 76.29,35.08 U13.J16
  BOTTOM w0.127: v1(86.33,41.78) 86.72,41.78 86.77,41.83 J3.108
EA_WAIT_WR_IN_P3: length 18.7
  SIGNAL_L10 w0.083: v1(86.65,26.88) 87.28,26.25 87.28,24.1 81.66,18.48 78.88,18.48 78.28,17.88 76.29,17.88 U14.J16
  BOTTOM w0.127: J3.48 86.84,26.82 86.78,26.88 v1(86.65,26.88)
EA_WAIT_WR_OUT_N0: length 8.3
  SIGNAL_L12 w0.083: v1(79.28,72.28) 79.28,71.88 77.68,70.28 77.37,70.28 77.12,70.03 77.12,69.79 76.84,69.51 76.51,69.51 76.08,69.08 U5.K16
  BOTTOM w0.127: J3.229 81.12,72.35 81.04,72.28 80.25,72.28 80.25,72.28 79.93,72.28 79.92,72.28 v1(79.28,72.28)
EA_WAIT_WR_OUT_N1: length 10.5
  SIGNAL_L12 w0.083: v1(79.58,57.31) 79.21,57.31 79.02,57.11 79.02,54.42 77.68,53.08 77.37,53.08 77.12,52.83 77.12,52.59 76.84,52.31 76.51,52.31 76.08,51.88 U6.K16
  BOTTOM w0.127: J3.169 80.01,57.34 79.97,57.31 v1(79.58,57.31)
EA_WAIT_WR_OUT_N2: length 12.5
  SIGNAL_L12 w0.083: U13.K16 76.08,34.68 76.51,35.11 76.84,35.11 77.12,35.39 77.12,35.63 77.37,35.88 77.68,35.88 78.68,36.88 78.68,37.73 79.38,38.43 79.38,41.88 79.98,42.48 v1(80.58,42.48)
  BOTTOM w0.127: v1(80.58,42.48) 80.97,42.48 81.07,42.38 82.36,42.38 J3.109
